# KiCad board baseboard.kicad_pcb (continued)
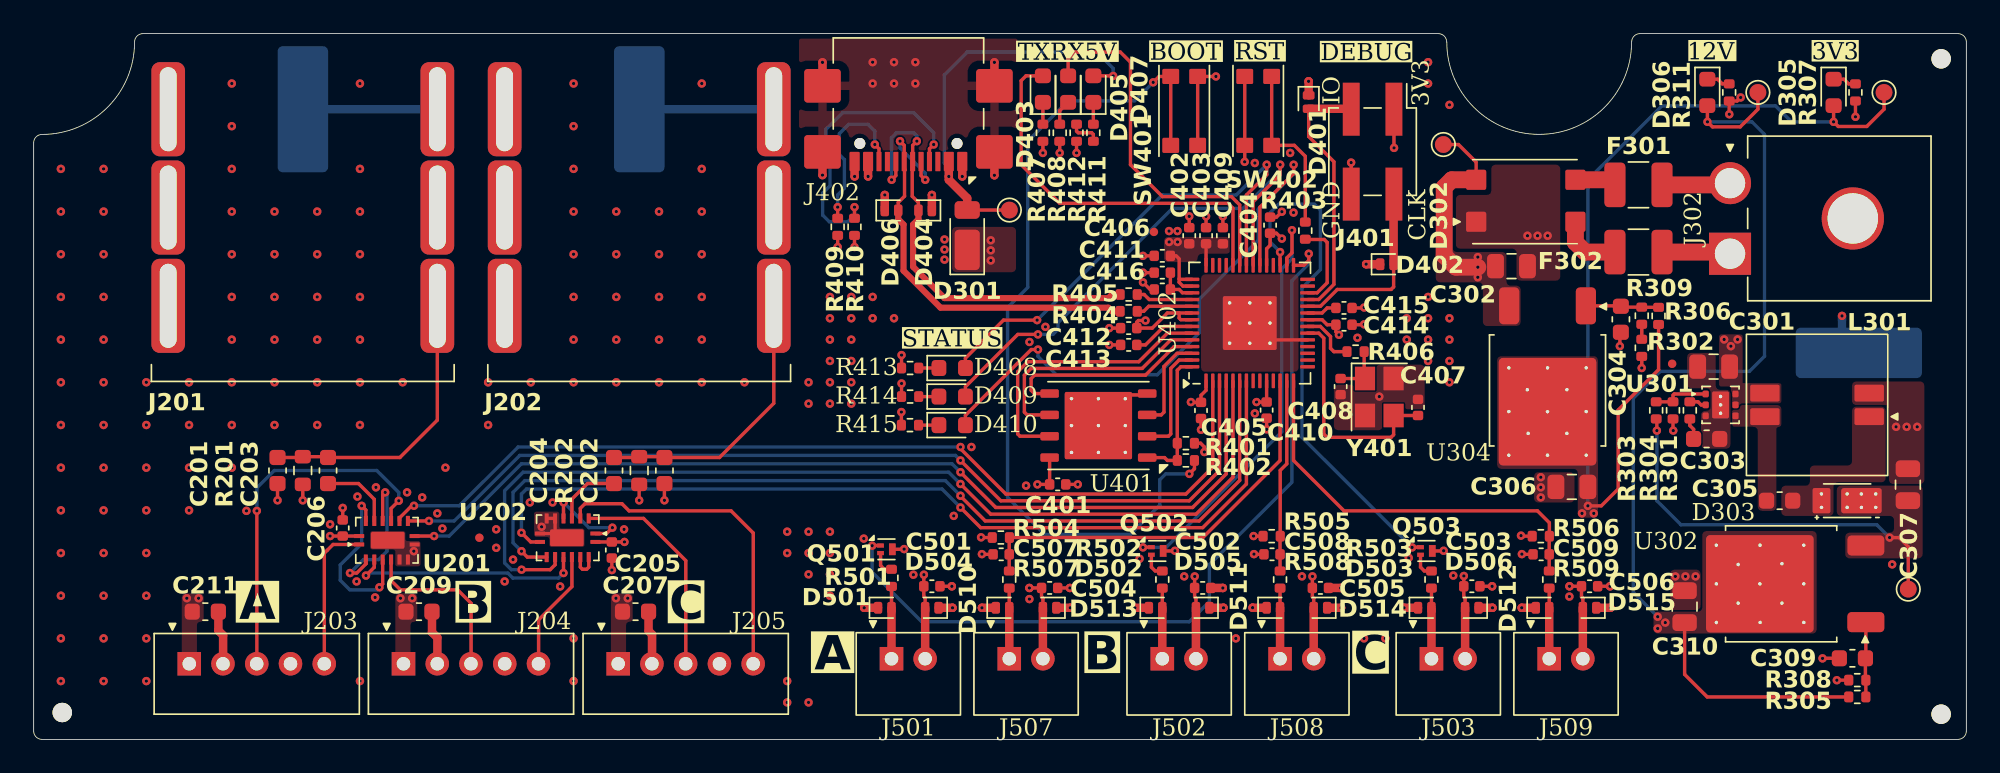
[diagram p0: board, top side]
## Nets
+1V1: C411.1 C413.1 C415.1 C416.1 U402.23 U402.45 U402.50
+3V3: C306.2 C401.1 C402.1 C403.1 C404.1 C405.1 C406.1 C409.1 C410.1 C412.1 C414.1 C501.2 C502.2 C503.2 C504.2 C505.2 C506.2 D305.2 D504.2 D505.2 D506.2 D513.2 D514.2 D515.2 J401.1 J501.2 J502.2 J503.2 J507.2 J508.2 J509.2 R306.2 R401.1 TP302.1 U304.2 U401.8 U402.1 U402.10 U402.22 U402.33 U402.42 U402.43 U402.44 U402.48 U402.49
+12V: C205.1 C206.1 C207.2 C209.2 C211.2 C310.2 D306.2 J203.1 J204.1 J205.1 R305.2 TP303.1 U201.16 U202.16 U302.2
/POWER/12V_FEEDBACK: R303.2 R304.1 U301.1
/POWER/+3V3REG_FBP: C304.2 R306.1 R309.1 U304.1
/POWER/+12VREG_FB: C309.2 R305.1 R308.2 U302.1
/POWER/+15V_RAW: C307.2 D303.1 R303.1 TP304.1 U302.3
GND: C201.2 C202.2 C205.2 C206.2 C207.1 C209.1 C211.1 C301.1 C302.1 C303.2 C304.1 C306.1 C307.1 C309.1 C310.1 C401.2 C402.2 C403.2 C404.2 C405.2 C406.2 C407.1 C408.1 C409.2 C410.2 C411.2 C412.2 C413.2 C414.2 C415.2 C416.2 C501.1 C502.1 C503.1 C504.1 C505.1 C506.1 C507.1 C508.1 C509.1 D302.1 D401.1 D402.1 D404.1 D406.1 D501.1 D502.1 D503.1 D504.1 D505.1 D506.1 D510.1 D511.1 D512.1 D513.1 D514.1 D515.1 G201.1 G202.1 G301.1 J201.R J201.RN J201.S J201.SN J201.TN J202.R J202.RN J202.S J202.SN J202.TN J203.2 J203.4 J204.2 J204.4 J205.2 J205.4 J401.4 J402.A1/B12 J402.B1/A12 J402.S1 J402.S2 J402.S3 J402.S4 L301.2 Q501.3 Q502.3 Q503.3 R201.2 R202.2 R302.2 R304.2 R307.2 R308.1 R311.2 R407.2 R408.2 R409.1 R410.1 R412.2 R413.2 R414.2 R415.2 R504.1 R505.1 R506.1 SW401.1 SW401.4 SW402.1 SW402.4 U201.6 U201.7 U201.8 U201.17 U202.6 U202.7 U202.8 U202.17 U301.3 U301.7 U401.4 U401.9 U402.19 U402.57 Y401.2 Y401.4
/AUDIO/AUDIO_IN: C201.1 C203.1 J201.T R201.1
/AUDIO/AUDIO_IN_FILT: C203.2 U201.14
/AUDIO/AUDIO_OUT: C202.1 C204.1 J202.T R202.1
/AUDIO/AUDIO_OUT_FILT: C204.2 U202.4
/AUDIO/EFFECT_A_BYPASS: U201.2 U201.13
/AUDIO/EFFECT_A_TO_B: U201.4 U201.15
/AUDIO/EFFECT_B_TO_C: U202.14 U202.15
/AUDIO/EFFECT_C_BYPASS: U202.1 U202.5
/MICROCONTROLLER/QSPI_SCLK: U401.6 U402.52
/MICROCONTROLLER/QSPI_SD0: U401.5 U402.53
/MICROCONTROLLER/QSPI_SD1: U401.2 U402.55
/MICROCONTROLLER/QSPI_SD2: U401.3 U402.54
/MICROCONTROLLER/QSPI_SD3: U401.7 U402.51
/MICROCONTROLLER/QSPI_SS: R401.2 R402.2 U401.1 U402.56
/MICROCONTROLLER/SWDCK: D402.2 J401.2 U402.24
/MICROCONTROLLER/SWDIO: D401.2 J401.3 U402.25
/MICROCONTROLLER/USB_CC1: J402.A5 R410.2
/MICROCONTROLLER/USB_CC2: J402.B5 R409.2
/MICROCONTROLLER/USB_D_uC+: R404.2 U402.47
/MICROCONTROLLER/USB_D_uC-: R405.2 U402.46
/MICROCONTROLLER/XTAL_IN: C407.2 U402.20 Y401.3
/MICROCONTROLLER/XTAL_OUT: C408.2 R406.1 Y401.1
/MICROCONTROLLER/XTAL_OUT_uC: R406.2 U402.21
/Peripherals/V_FTSW_RAW_A: D510.2 J507.1 R507.1
/Peripherals/V_FTSW_RAW_B: D511.2 J508.1 R508.1
/Peripherals/V_FTSW_RAW_C: D512.2 J509.1 R509.1
/Peripherals/V_LED_PROT_A: Q501.2 R501.2
/Peripherals/V_LED_PROT_B: Q502.2 R502.2
/Peripherals/V_LED_PROT_C: Q503.2 R503.2
/Peripherals/V_LED_RAW_A: D501.2 J501.1 R501.1
/Peripherals/V_LED_RAW_B: D502.2 J502.1 R502.1
/Peripherals/V_LED_RAW_C: D503.2 J503.1 R503.1
/POWER/DC_IN+: F301.1 J302.2
/POWER/DC_IN-: F302.2 J302.1
/POWER/DC_IN_PROT+: D302.3 F301.2
/POWER/DC_IN_PROT-: D302.2 F302.1
/POWER/DC_IN_RECT: C301.2 C302.2 D301.1 D302.4 L301.4 TP305.1 U301.5 U301.6 U304.3
/POWER/PHASE: C305.1 L301.3 U301.4
/POWER/PHASE_OUTPUT: C305.2 D303.2 L301.1
EFFECT_A_IN: J203.3 U201.12
EFFECT_A_OUT: J203.5 U201.1
EFFECT_B_BYPASS: U201.3 U202.12
EFFECT_B_IN: J204.3 U201.5
EFFECT_B_OUT: J204.5 U202.13
EFFECT_C_IN: J205.3 U202.2
EFFECT_C_OUT: J205.5 U202.3
FTSW_A: C507.2 R504.2 R507.2 U402.12
FTSW_B: C508.2 R505.2 R508.2 U402.13
FTSW_C: C509.2 R506.2 R509.2 U402.14
LED_A: Q501.1 U402.29
LED_B: Q502.1 U402.30
LED_C: Q503.1 U402.31
LED_USB_RX: D405.2 U402.37
LED_USB_TX: D403.2 U402.38
MUX1_A: U201.9 U402.4
MUX1_B: U201.10 U402.3
MUX1_C: U201.11 U402.2
MUX2_A: U202.9 U402.7
MUX2_B: U202.10 U402.6
MUX2_C: U202.11 U402.5
STATUS_G: D408.2 U402.36
STATUS_R: D410.2 U402.34
STATUS_Y: D409.2 U402.35
USB_D+: D406.2 J402.A7 J402.B7 R404.1
USB_D-: D404.2 J402.A6 J402.B6 R405.1
USB_VBUS: D301.2 D407.2 J402.A4/B9 J402.B4/A9 TP401.1
Net-(C303-Pad1): C303.1 R301.2
Net-(D305-K): D305.1 R307.1
Net-(D306-K): D306.1 R311.1
Net-(D403-K): D403.1 R407.1
Net-(D405-K): D405.1 R408.1
Net-(D407-K): D407.1 R411.1
Net-(D408-K): D408.1 R413.1
Net-(D409-K): D409.1 R414.1
Net-(D410-K): D410.1 R415.1
Net-(R302-Pad1): R302.1 R309.2
Net-(R402-Pad1): R402.1 SW401.2 SW401.3
Net-(R403-Pad1): R403.1 SW402.2 SW402.3
Net-(R411-Pad2): R411.2 R412.1
Net-(U301-COMP): R301.1 U301.2
Net-(U402-RUN): R403.2 U402.26

Pads without a net: J402 A8 B8; U402 8 9 11 15 16 17 18 27 28 32 39 40 41

## Via types
v1: diameter 0.5, hole 0.2, Top to Bottom, 378 vias

## Routing (per net, layer and track width the routed paths; a pad name or vN(x,y) marks a point on that pad's centre or on a via; arc(x,y) is an arc through that point)
+1V1: length 7.9
  Top w0.2: C415.1 76.9,25.68 76.6,25.38 75.74,25.38 ; 68.86,24.58 67.2,24.58 66.1,23.47 C413.1 ; 68.86,26.58 68.3,26.58 68.1,26.77 C416.1 C411.1
+3V3: length 258
  Top w0.2: v1(59.68,15.17) C401.1 U401.8 ; U402.22 76.6,24.97 76.9,24.67 C414.1 77.42,24.25 v1(77.6,24.08) ; U402.10 C410.1 v1(72.7,20.08) ; 68.86,27.38 68.12,27.38 68.1,27.4 ; v1(66.1,24.92) 65.68,24.92 65.58,24.83 C412.1 66.5,24.47 67.4,25.38 68.1,25.38 ; 68.1,25.38 68.1,25.08 68.2,24.97 U402.49 ; 68.1,25.38 68.86,25.38 ; v1(69.03,9.7) 69.02,9.69 C502.2 69.02,8.48 69.1,8.4 D505.2 ; J401.1 80.87,35.2 v1(80.88,35.2) ; D513.2 60,8.4 59.92,8.48 C504.2 59.2,9.01 ; 68.1,27.4 68.1,27.2 68.32,26.97 U402.44 ; 68.1,27.4 68.1,28.6 67.93,28.77 C406.1 ; v1(74.21,29.8) 73.89,30.12 C404.1 73.51,29.4 73.3,29.19 U402.33 ; R306.2 96.6,22 94.2,19.6 94.2,14.9 93.2,13.9 v1(92.4,13.9) ; R401.1 69.38,17.62 69.6,17.4 v1(69.6,17.1) ; D305.2 v1(107.01,36.75) 107.28,36.47 108.98,36.47 110.01,37.5 TP302.1 ; 91.31,9.11 C506.2 92.02,8.48 92.1,8.4 D515.2 ; D506.2 85.1,8.4 85.02,8.48 C503.2 85.02,9.72 v1(85.03,9.72) ; v1(52.93,9.8) 52.92,9.8 C501.2 52.92,8.5 53,8.42 D504.2 ; v1(68.8,20.08) 68.82,20.05 C405.1 69.4,20.47 69.7,20.77 U402.1 ; U402.42 C403.1 ; D514.2 76.1,8.4 76.02,8.48 C505.2 76.02,9.69 v1(76.03,9.7)
  Top w0.5: 91.31,9.11 v1(91.31,9.11) ; 92.1,5 D515.2 ; 59.2,9.01 v1(59.2,9.01) ; 60,5 D513.2 ; 53,5 D504.2 ; 69.1,5 D505.2 ; 76.1,5 D514.2 ; 85.1,5 D506.2
  In2.Cu w0.5: v1(92.4,13.9) 92.3,13.8 87.88,13.8 v1(77.6,24.08) 77.6,29.1 77.1,29.6 74.41,29.6 v1(74.21,29.8) 73.61,30.4 73.61,31.91 76.9,35.2 v1(80.88,35.2) ; v1(52.93,9.8) 56.2,9.8 56.99,9.01 v1(59.2,9.01) 59.8,9.61 61.86,9.61 61.87,9.6 65.6,9.6 66.3,10.3 68.7,10.3 69.03,9.97 v1(69.03,9.7) 73.7,9.7 74.4,10.4 75.7,10.4 76.03,10.08 v1(76.03,9.7) 82.6,9.7 83.4,10.5 84.6,10.5 85.03,10.08 v1(85.03,9.72) 90.69,9.72 v1(91.31,9.11) 92.75,10.55 v1(92.75,13.45) ; v1(68.01,29.6) v1(67.51,29.6) 66.8,28.89 66.8,25.62 v1(66.1,24.92) 66.1,23.8 65,22.7 60.7,22.7 59.68,21.67 v1(59.68,15.17) 60.28,14.58 68.88,14.58 69.6,15.3 v1(69.6,17.1) 68.8,17.9 v1(68.8,20.08) v1(72.7,20.08) 75.94,20.08 83.21,12.8 92.05,12.8 v1(92.05,13.45)
  In2.Cu w2: v1(92.05,13.45) v1(92.75,13.45)
  Bottom w0.2: v1(92.4,13.9) 92.4,33.3 96.8,37.7 103.56,37.7 104.51,36.75 v1(107.01,36.75)
+12V: length 174.6
  Top w0.2: v1(35.12,11.75) C205.1 U202.16 ; v1(17.62,12.1) C206.1 U201.16 ; 99.51,37.71 v1(99.51,36.75) 99.81,36.45 101.46,36.45 102.51,37.5 TP303.1 ; R305.2 99.49,2.53 98.15,3.87 C310.2
  In2.Cu w0.2: 39.5,8.5 39.4,8.4 38.7,8.4
  In2.Cu w0.5: v1(96.55,6.6) 96.55,5.25 94.55,3.25 49.05,3.25 43.9,8.4 v1(35.32,8.4) v1(34.62,8.4) v1(21.81,8.4) 21.8,8.4 20.3,6.9 17.71,6.9 16.21,8.4 v1(9.81,8.4) v1(9.11,8.4) 9.11,9.98 11.22,12.1 v1(17.62,12.1) ; 39.5,8.5 39.5,11.31 39.06,11.75 v1(35.12,11.75)
  In2.Cu w2: v1(96.55,6.6) v1(96.55,7.3)
  Bottom w0.2: v1(96.55,7.3) 95.1,8.75 95.1,20.3 96.7,21.9 102,21.9 102.9,22.8 102.9,36 102.15,36.75 v1(99.51,36.75)
  vias: v1(22.51,8.4) v1(97,6.95)
/POWER/12V_FEEDBACK: length 3.4
  Top w0.2: U301.1 97.53,20.56 97.46,20.48 R304.1 R303.2
/POWER/+3V3REG_FBP: length 4.2
  Top w0.2: R309.1 94.36,25.72 ; U304.1 94.28,25.8 ; R306.1 95.61,25.71
/POWER/+12VREG_FB: length 4.3
  Top w0.2: R308.2 R305.1 ; 108.93,6.87 108.93,4.85 ; C309.2 108.9,3.55
/POWER/+15V_RAW: length 23.4
  Top w0.2: v1(110.34,12.01) 110.9,12.01 111.45,11.46 TP304.1 ; v1(96.5,18.38) 96.5,19.03
  Bottom w0.2: v1(96.5,18.38) 96.5,14.2 97.93,12.77 109.57,12.77 v1(110.34,12.01)
GND: length 105.3
  Top w0.2: v1(72.53,12.1) 72.53,12.09 R505.1 ; R412.2 v1(62,34.9) ; U402.19 73.3,23.77 ; C402.2 v1(68.7,31.12) ; v1(83.82,11.22) 83.81,11.21 Q503.3 ; 65.1,20.5 66.12,20.5 ; SW401.4 SW401.1 v1(70.29,39.45) ; C410.2 v1(73.3,18.45) ; v1(74.21,31.4) 73.89,31.08 C404.2 ; v1(72,34.37) 72,34.37 SW402.1 SW402.4 ; R408.2 v1(61,34.9) ; v1(72.55,11.02) 72.56,11.01 C508.1 ; v1(79.1,24.7) 79.07,24.67 C414.2 ; v1(56.38,11.02) 56.39,11.01 C507.1 ; v1(97.47,18.38) 97.46,18.39 R304.2 ; v1(65.95,27.2) 66.37,26.78 C416.2 ; v1(79.1,25.7) 79.07,25.67 C415.2 ; v1(94.3,23.4) 94.3,23.4 94.3,24.23 ; v1(95.6,22.1) 95.6,22.1 R302.2 ; R201.2 v1(16,14.22) ; v1(101.48,38.2) 101.27,37.99 R311.2 100.8,37.21 v1(100.81,37.2) ; C406.2 v1(65.95,28.77) ; C501.1 54.58,9.11 ; J401.4 78.33,34.32 v1(78.32,34.33) ; C411.2 v1(65.95,27.77) ; C504.1 61.6,9.01 ; v1(67.85,11.22) 67.84,11.21 Q502.3 ; C206.2 v1(18.38,13.77) ; 31,12 U202.6 U202.7 ; R415.2 v1(51.59,19.48) ; C205.2 v1(34.38,10.08) ; C201.2 v1(14.5,14.22) ; R307.2 v1(108.31,37.05) ; C509.1 88.49,11.01 v1(88.47,11.02) ; v1(88.43,12.12) 88.46,12.09 R506.1 ; R504.1 56.34,12.01 v1(56.32,12.02) ; C506.1 93.71,9.11 ; C413.2 v1(63.95,23.48) ; R409.1 v1(47.8,29.3) ; R202.2 v1(36,14.22) ; Q501.3 51.74,11.31 v1(51.75,11.33) ; C309.1 106.36,4.83 v1(106.35,4.82) ; C503.1 86.7,9.11 ; R410.1 v1(48.8,29.3) ; C405.2 v1(69.4,18.42) ; v1(107.2,3.52) 107.21,3.53 R308.1 ; U202.8 32.25,12.25 ; C403.2 v1(69.7,31.12) ; C412.2 v1(63.95,24.47) ; R407.2 v1(60,34.9) ; R413.2 v1(51.6,22.87) ; C409.2 v1(70.7,31.12) ; C401.2 v1(62.07,15.17) ; R414.2 v1(51.6,21.18) ; C202.2 v1(37.5,14.22)
  Top w0.5: D515.1 93.73,7.83 v1(93.74,7.83) ; D503.1 81.47,7.83 v1(81.47,7.83) ; v1(77.71,9.01) 77.7,9.01 C505.1 ; J402.S2 v1(46.9,33.58) ; v1(70.74,7.83) 70.73,7.83 D505.1 ; v1(70.7,9.01) 70.69,9.01 C502.1 ; v1(61.63,7.83) 61.62,7.83 D513.1 ; v1(65.47,7.83) 65.47,7.83 D502.1 ; C211.1 10.98,6.47 11.26,6.19 11.26,4.8 ; D402.1 79.22,28.28 v1(79.22,28.28) ; v1(75.8,39.16) 75.8,39.16 D401.1 ; D511.1 72.47,7.83 v1(72.47,7.84) ; D510.1 56.38,7.83 v1(56.38,7.83) ; v1(54.63,7.83) 54.62,7.83 D504.1 ; D404.1 v1(53.4,32.4) ; J402.S4 v1(46.9,40.29) ; J402.S1 v1(57.12,33.57) ; D512.1 88.47,7.83 v1(88.47,7.83) ; 24,4.8 24,6.06 23.68,6.38 C209.1 ; 54.58,9.11 v1(54.59,9.11) ; J402.A1/B12 v1(55.21,33.5) ; D406.1 v1(50.6,32.4) ; 36.76,4.8 36.76,6.24 36.56,6.45 C207.1 ; D501.1 49.38,7.83 v1(49.38,7.83) ; D514.1 77.72,7.83 v1(77.73,7.83) ; v1(86.73,7.83) 86.72,7.83 D506.1 ; J402.S3 v1(57.12,40.29) ; 86.7,9.11 v1(86.71,9.11) ; J402.B1/A12 v1(48.81,33.5) ; 93.71,9.11 v1(93.72,9.11) ; 61.6,9.01 v1(61.61,9.01)
  Bottom w0.5: G301.1 107.51,24 v1(107.51,25.2) ; G201.1 J201.S ; G202.1 J202.S
  vias: v1(1.62,33.95) v1(1.62,31.41) v1(1.62,28.87) v1(1.62,26.33) v1(1.62,23.79) v1(1.62,21.25) v1(1.62,18.71) v1(1.62,16.17) v1(1.62,13.63) v1(1.62,11.09) v1(1.62,8.55) v1(1.62,6.01) v1(1.62,3.47) v1(4.16,33.95) v1(4.16,31.41) v1(4.16,28.87) v1(4.16,26.33) v1(4.16,23.79) v1(4.16,21.25) v1(4.16,18.71) v1(4.16,16.17) v1(4.16,13.63) v1(4.16,11.09) v1(4.16,8.55) v1(4.16,6.01) v1(4.16,3.47) v1(6.7,21.25) v1(6.7,18.71) v1(6.7,16.17) v1(6.7,13.63) v1(6.7,11.09) v1(6.7,8.55) v1(6.7,6.01) v1(6.7,3.47) v1(9.24,21.25) v1(9.24,18.71) v1(9.24,16.17) v1(9.24,13.63) v1(11.78,39.03) v1(11.78,36.49) v1(11.78,33.95) v1(11.78,31.41) v1(11.78,28.87) v1(11.78,26.33) v1(11.78,23.79) v1(11.78,21.25) v1(11.78,18.71) v1(11.78,16.17) v1(12.65,13.6) v1(14.32,31.41) v1(14.32,28.87) v1(14.32,26.33) v1(14.32,23.79) v1(14.32,21.25) v1(14.32,18.71) v1(16.86,31.41) v1(16.86,28.87) v1(16.86,26.33) v1(16.86,23.79) v1(16.86,21.25) v1(16.86,18.71) v1(17.62,12.8) v1(19.25,14.45) v1(19.2,9.4) v1(19.4,39.03) v1(19.4,33.95) v1(19.4,31.41) v1(19.4,28.87) v1(19.4,26.33) v1(19.4,23.79) v1(19.4,21.25) v1(19.4,18.71) v1(19.4,3.47) v1(20.35,15) v1(20.3,8.45) v1(21.94,21.25) v1(22.2,14.7) v1(22.6,11.2) v1(23.1,14.4) v1(24,13.45) v1(24.3,12.55) v1(24.48,16.17) v1(27.02,21.25) v1(27.02,18.71) v1(27.5,12.5) v1(27.5,11.4) v1(28,9.4) v1(28.5,10.7) v1(29.5,14.1) v1(29.56,21.25) v1(30.2,12.65) v1(30.85,14.1) v1(31.3,9.1) v1(32.1,39.03) v1(32.1,36.49) v1(32.1,33.95) v1(32.1,31.41) v1(32.1,28.87) v1(32.1,26.33) v1(32.1,23.79) v1(32.1,21.25) v1(32.1,6.01) v1(32.1,3.47) v1(34.64,31.41) v1(34.64,28.87) v1(34.64,26.33) v1(34.64,23.79) v1(34.64,21.25) v1(35.1,12.5) v1(37.18,31.41) v1(37.18,28.87) v1(37.18,26.33) v1(37.18,23.79) v1(37.18,21.25) v1(39.72,39.03) v1(39.72,33.95) v1(39.72,31.41) v1(39.72,28.87) v1(39.72,26.33) v1(39.72,23.79) v1(39.72,21.25) v1(42.26,21.25) v1(44.8,12.36) v1(44.8,11.09) v1(44.8,3.47) v1(44.8,2.2) v1(46.07,21.25) v1(46.07,19.98) v1(46.07,12.36) v1(46.07,11.09) v1(46.07,9.82) v1(46.07,2.2) v1(47.34,26.33) v1(47.34,25.06) v1(47.34,23.79) v1(47.34,22.52) v1(47.34,21.25) v1(47.34,19.98) v1(47.34,12.36) v1(47.34,11.09) v1(47.34,9.82) v1(47.34,8.55) v1(48.61,26.33) v1(48.61,25.06) v1(48.61,23.79) v1(48.61,22.52) v1(48.61,21.25) v1(48.61,19.98) v1(49.35,11.95) v1(49.88,40.3) v1(49.88,39.03) v1(49.88,26.33) v1(49.88,25.06) v1(51.15,40.3) v1(51.15,39.03) v1(51.15,25.06) v1(52.3,9.8) v1(52.42,40.3) v1(52.42,39.03) v1(54.15,29.75) v1(54.15,29.15) v1(54.15,28.55) v1(54.7,13.3) v1(55.75,17.4) v1(59,15.1) v1(59.2,23.65) v1(59.2,8.35) v1(60.15,24.55) v1(65.75,10.75) v1(67.5,30.25) v1(68,30.25) v1(68.4,9.7) v1(71.47,6.01) v1(72.6,34.3) v1(72.6,19.4) v1(74.7,34.9) v1(74.9,31.35) v1(75.4,9.7) v1(78.7,23.9) v1(79.09,6.01) v1(80,20.4) v1(80.36,6.01) v1(81.63,25.06) v1(81.63,23.79) v1(81.75,10.8) v1(82.9,40.3) v1(82.9,39.03) v1(82.9,26.33) v1(82.9,25.06) v1(82.9,23.79) v1(82.9,22.52) v1(84.17,37.76) v1(84.17,25.06) v1(84.17,23.79) v1(84.17,22.52) v1(84.17,21.25) v1(84.4,9.75) v1(88.81,29.97) v1(89.41,29.97) v1(89.6,15.6) v1(89.6,15) v1(89.6,14.4) v1(90.01,29.97) v1(91.3,8.5) v1(97.6,9.7) v1(98.2,9.7) v1(98.8,9.7) v1(110.49,10.41) v1(110.72,18.6) v1(111.35,18.6) v1(111.98,18.6)
/AUDIO/AUDIO_IN: length 17.1
  Top w0.2: C203.1 21.77,16.77 24,19 J201.T ; R201.1 17.45,16.83 ; C201.1 15.95,16.77
/AUDIO/AUDIO_IN_FILT: length 4.4
  Top w0.2: C203.2 19.31,15.22 20.25,14.29 U201.14
/AUDIO/AUDIO_OUT: length 16.5
  Top w0.2: R202.1 37.45,16.83 ; J202.T 44,20 40.78,16.77 C202.1 ; C204.1 35.95,16.77
/AUDIO/AUDIO_OUT_FILT: length 4
  Top w0.2: U202.4 32,14.3 32.92,15.22 C204.2
/AUDIO/EFFECT_A_BYPASS: length 9.5
  Top w0.2: v1(18.81,9.9) 19.21,9.9 19.75,10.44 U201.2 ; U201.13 20.75,14.55 v1(20.9,14.7)
  Bottom w0.2: v1(18.81,9.9) 19.61,10.7 20.51,10.7 21.01,11.2 21.01,14.59 v1(20.9,14.7)
/AUDIO/EFFECT_A_TO_B: length 10.3
  Top w0.2: U201.4 20.75,9.24 v1(20.56,9.05) ; v1(19.5,13.9) 19.75,13.65 U201.15
  Bottom w0.2: v1(20.56,9.05) 20.41,8.9 18.8,8.9 18.22,9.47 18.22,10.38 19.5,11.65 v1(19.5,13.9)
/AUDIO/EFFECT_B_TO_C: length 1.8
  Top w0.2: U202.15 33,10.25 32.88,10.12 32.62,10.12 32.5,10.25 U202.14
/AUDIO/EFFECT_C_BYPASS: length 5.6
  Top w0.2: U202.5 31.5,14.09 v1(31.51,14.1) ; v1(34.41,12.6) 34.06,12.25 U202.1
  Bottom w0.2: v1(31.51,14.1) 33.01,12.6 v1(34.41,12.6)
/MICROCONTROLLER/QSPI_SCLK: length 14.6
  Top w0.2: U401.6 59.06,19.31 58.9,19.47 58.9,21.67 59.3,22.08 65.9,22.08 67.6,23.78 U402.52
/MICROCONTROLLER/QSPI_SD0: length 12.2
  Top w0.2: U401.5 59.5,20.58 59.3,20.77 59.3,21.48 59.5,21.67 66.1,21.67 67.8,23.38 68.86,23.38
/MICROCONTROLLER/QSPI_SD1: length 6.8
  Top w0.2: U401.2 67.47,18.04 67.6,18.18 67.6,22.08 68.1,22.58 68.86,22.58
/MICROCONTROLLER/QSPI_SD2: length 5.8
  Top w0.2: U402.54 67.98,22.97 67.2,22.2 67.2,19.47 67.03,19.31 U401.3
/MICROCONTROLLER/QSPI_SD3: length 17
  Top w0.2: U402.51 67.4,24.17 65.7,22.47 59.1,22.47 58.5,21.88 58.5,18.18 58.63,18.04 U401.7
/MICROCONTROLLER/QSPI_SS: length 8.2
  Top w0.2: U402.56 68.2,22.17 67.99,21.97 R401.2 R402.2 67.4,16.6 67.23,16.77 U401.1
/MICROCONTROLLER/SWDCK: length 11.1
  Top w0.2: D402.2 80.85,26.93 80.7,26.77 77.5,26.77 76.5,25.77 U402.24
  Top w0.5: D402.2 80.85,32.43
/MICROCONTROLLER/SWDIO: length 15.5
  Top w0.2: D401.2 75.8,35.88 77.3,34.38 77.3,27.08 76.4,26.17 U402.25
  Top w0.5: D401.2 78.31,37.52
/MICROCONTROLLER/USB_CC1: length 17.9
  Top w0.2: v1(53.51,35.4) 53.26,35.15 J402.A5 ; v1(48.8,31.67) R410.2
  Bottom w0.2: v1(48.8,31.67) 48.8,31.19 48.41,30.8 47.31,30.8 46.91,31.2 46.91,32.51 47.35,32.95 47.35,34.25 47.1,34.5 47.1,36.3 48.1,37.3 52.31,37.3 53.51,36.1 v1(53.51,35.4)
/MICROCONTROLLER/USB_CC2: length 9.7
  Top w0.2: J402.B5 50.26,35.15 v1(50.01,35.4) ; v1(47.8,31.67) R409.2
  Bottom w0.2: v1(47.8,31.67) 47.8,32.4 48.2,32.8 48.2,34.51 47.9,34.81 47.9,36.05 48.45,36.6 49.6,36.6 50.01,36.19 v1(50.01,35.4)
/MICROCONTROLLER/USB_D_uC+: length 3.4
  Top w0.2: U402.47 66.3,25.77 66,25.47 R404.2
/MICROCONTROLLER/USB_D_uC-: length 3.4
  Top w0.2: U402.46 66.32,26.17 66.02,26.47 R405.2
/MICROCONTROLLER/XTAL_IN: length 13.7
  Top w0.2: C407.2 Y401.3 80.85,18.12 80.7,17.97 76.9,17.97 76.7,18.17 76.7,23.88 76.4,24.17 75.74,24.17
/MICROCONTROLLER/XTAL_OUT: length 3
  Top w0.2: C408.2 Y401.1 ; R406.1 79.1,21.53
/MICROCONTROLLER/XTAL_OUT_uC: length 3.4
  Top w0.2: 75.74,24.58 76.5,24.58 77.1,23.97 77.1,23.27 77.3,23.08 R406.2
/Peripherals/V_FTSW_RAW_A: length 4
  Top w0.2: D510.2 R507.1
  Top w0.5: D510.2 58,5
/Peripherals/V_FTSW_RAW_B: length 4
  Top w0.2: D511.2 R508.1
  Top w0.5: D511.2 74.1,5
/Peripherals/V_FTSW_RAW_C: length 4
  Top w0.2: D512.2 R509.1
  Top w0.5: D512.2 90.1,5
/Peripherals/V_LED_PROT_A: length 1.5
  Top w0.2: Q501.2 50.35,10.35 50.58,10.12 R501.2
/Peripherals/V_LED_PROT_B: length 1.5
  Top w0.2: R502.2 66.68,10.02 66.45,10.25 Q502.2
/Peripherals/V_LED_PROT_C: length 1.5
  Top w0.2: Q503.2 82.45,10.25 82.68,10.02 R503.2
/Peripherals/V_LED_RAW_A: length 4.1
  Top w0.2: D501.2 R501.1
  Top w0.5: 51,5 D501.2
/Peripherals/V_LED_RAW_B: length 4
  Top w0.2: D502.2 R502.1
  Top w0.5: D502.2 67.1,5
/Peripherals/V_LED_RAW_C: length 4
  Top w0.2: D503.2 R503.1
  Top w0.5: D503.2 83.1,5
/POWER/DC_IN+: length 4
  Top w1: F301.1 100.76,33
/POWER/DC_IN-: length 4
  Top w1: F302.2 100.76,29
/POWER/DC_IN_PROT+: length 2.5
  Top w1: F301.2 93.71,33.3 D302.3
/POWER/DC_IN_PROT-: length 3.8
  Top w1: F302.1 92.23,29 91.66,29.58 D302.2
/POWER/DC_IN_RECT: length 71.6
  Top w0.2: D302.4 85.76,34.35 84.71,35.4 TP305.1
  Top w1: v1(85.86,28.1) 84.56,28.1 83.86,28.8 83.86,32.85 84.31,33.3 D302.4
  In2.Cu w0.5: v1(85.86,28.7) 85.86,32.94 81.6,37.2 69.95,37.2 61.85,29.1 v1(56.9,29.1) ; v1(100.9,23.4) 100.9,25.1 97.9,28.1 86.46,28.1 v1(85.86,27.5)
  In2.Cu w2: v1(85.86,28.7) v1(85.86,27.5) ; v1(100.5,23.8) v1(101.3,23.8) ; v1(56.9,29.7) v1(56.9,28.5)
EFFECT_A_IN: length 21.5
  Top w0.2: v1(13.27,13.6) 13.27,4.8 ; U201.12 21.25,13.74 v1(21.71,14.2)
  Bottom w0.2: v1(13.27,13.6) 13.27,14.96 14.31,16 20.4,16 21.71,14.69 v1(21.71,14.2)
EFFECT_A_OUT: length 8.6
  Top w0.2: 17.28,4.8 17.28,11.08 17.8,11.6 U201.1
EFFECT_B_BYPASS: length 14.2
  Top w0.2: v1(31.5,9.9) U202.12 ; U201.3 20.25,10.24 v1(19.76,9.75)
  Bottom w0.2: v1(31.5,9.9) 31.2,9.6 28.49,9.6 28.19,9.9 19.91,9.9 v1(19.76,9.75)
EFFECT_B_IN: length 9.9
  Top w0.2: 26.01,4.8 26.01,8.1 25.21,8.9 21.8,8.9 21.25,9.45 U201.5
EFFECT_B_OUT: length 6.9
  Top w0.2: 30.02,4.8 30.02,7.11 32,9.09 U202.13
EFFECT_C_IN: length 12.6
  Top w0.2: U202.2 36.26,13.15 38.77,10.64 38.77,4.8
EFFECT_C_OUT: length 19.2
  Top w0.2: 42.78,4.8 42.78,12.28 41.46,13.6 35.4,13.6 34.97,14.02 32.77,14.02 32.5,13.75 U202.3
FTSW_A: length 24.7
  Top w0.2: R504.2 69.51,12.01 74.1,16.6 U402.12 ; 58,12 C507.2 R507.2
FTSW_B: length 11.5
  Top w0.2: U402.13 74.5,16.4 74.11,16.01 R505.2 ; 74.1,12.08 C508.2 R508.2
FTSW_C: length 24.3
  Top w0.2: U402.14 74.9,16.6 77.9,13.6 89.4,13.6 90.11,12.89 R506.2 ; 90.1,12.08 C509.2 R509.2
LED_A: length 48.4
  Top w0.2: v1(75.81,28.9) 75.81,28.5 75.52,28.21 U402.29 ; Q501.1 49.86,11.54 v1(49.85,11.52)
  Bottom w0.2: v1(75.81,28.9) 75.81,28.3 74.8,27.29 74.8,15.3 69.9,10.4 69.9,8.2 68.7,7 52.8,7 49.85,9.95 v1(49.85,11.52)
LED_B: length 26.1
  Top w0.2: Q502.1 65.96,11.44 v1(65.95,11.42) ; 74.51,28.22 U402.30 74.5,28.65 74.81,28.96 v1(74.81,30.3)
  Bottom w0.2: v1(65.95,11.42) 67.32,11.42 74.2,18.3 74.2,28 74.8,28.6 74.8,30.29 v1(74.81,30.3)
LED_C: length 30.5
  Top w0.2: v1(74.1,29) U402.31 ; v1(81.95,11.42) 81.96,11.44 Q503.1
  Bottom w0.2: v1(74.1,29) 74.1,29.01 73.5,29.61 73.5,31.33 74.02,31.85 76.15,31.85 76.5,31.5 76.5,27.96 75.4,26.86 75.4,17.97 v1(81.95,11.42)
LED_USB_RX: length 22.3
  Top w0.2: D405.2 61.5,40.49 61.91,40.9 64.61,40.9 65.21,40.3 65.21,34.2 67.11,32.3 71.21,32.3 71.7,31.81 U402.37
LED_USB_TX: length 23.5
  Top w0.2: U402.38 71.3,31.61 71.01,31.9 61.01,31.9 58.71,34.2 58.71,39.2 58.99,39.49 D403.2
MUX1_A: length 57.5
  Top w0.2: U402.4 70.9,15.8 68.9,13.8 57.2,13.8 v1(55.1,15.9) ; U201.9 v1(23.81,12.1)
  Bottom w0.2: v1(23.81,12.1) 24.7,12.1 29,16.4 54.6,16.4 v1(55.1,15.9)
MUX1_B: length 57.1
  Top w0.2: v1(55.1,16.6) 57.5,14.2 68.7,14.2 70.5,16 U402.3 ; U201.10 v1(23.5,13)
  Bottom w0.2: v1(23.5,13) 25,13 28.9,16.9 54.8,16.9 v1(55.1,16.6)
MUX1_C: length 57.3
  Top w0.2: v1(22.61,13.9) 22.48,13.9 21.75,13.18 U201.11 ; U402.2 70.1,16.2 68.5,14.6 57.8,14.6 55.1,17.3 v1(55.1,17.4)
  Bottom w0.2: v1(55.1,17.4) 28.8,17.4 25.3,13.9 v1(22.61,13.9)
MUX2_A: length 55
  Top w0.2: U402.7 72.1,15.2 69.5,12.6 56.3,12.6 v1(55.1,13.8) ; U202.9 29.55,11.75 v1(29,12.3)
  Bottom w0.2: v1(55.1,13.8) 54,14.9 29.3,14.9 29,14.6 v1(29,12.3)
MUX2_B: length 56.8
  Top w0.2: U202.10 29.35,10.85 v1(29,11.2) ; U402.6 71.7,15.41 69.29,13 56.57,13 55.1,14.47 v1(55.1,14.5)
  Bottom w0.2: v1(29,11.2) 28.5,11.7 28.5,14.7 29.2,15.4 54.2,15.4 v1(55.1,14.5)
MUX2_C: length 59.5
  Top w0.2: U202.11 31,10.39 30.71,10.1 v1(29.01,10.1) ; U402.5 71.3,15.6 69.1,13.4 56.9,13.4 v1(55.1,15.2)
  Bottom w0.2: v1(55.1,15.2) 54.4,15.9 29.1,15.9 28,14.8 28,10.5 28.4,10.1 v1(29.01,10.1)
STATUS_G: length 29.8
  Top w0.2: U402.36 72.1,32.39 73.31,33.6 v1(73.31,34.2) ; v1(59.66,24.95) 57.66,24.95 55.39,22.69 D408.2
  Bottom w0.2: v1(59.66,24.95) 67.11,32.4 71.5,32.4 73.3,34.2 v1(73.31,34.2)
STATUS_R: length 37.2
  Top w0.2: v1(59.71,23.2) 59.31,23.2 55.39,19.29 D410.2 ; U402.34 72.9,31.67 74.91,33.67 v1(74.91,34.2)
  Bottom w0.2: v1(59.71,23.2) 59.71,22.79 60.8,21.7 66.8,21.7 69.3,24.2 69.3,26.2 72.81,29.71 72.81,31.55 74.91,33.65 v1(74.91,34.2)
STATUS_Y: length 31.9
  Top w0.2: v1(59.71,24.1) 58.51,24.1 55.39,20.99 D409.2 ; v1(74.11,34.2) 74.11,33.6 72.5,31.99 U402.35
  Bottom w0.2: v1(74.11,34.2) 74.11,33.81 71.9,31.6 67.7,31.6 60.9,24.8 60.9,24.4 60.6,24.1 v1(59.71,24.1)
USB_D+: length 26.1
  Top w0.2: D406.2 51.4,31.95 51.78,32.33 51.78,33.86 51.78,33.87 51.78,33.94 51.76,33.96 J402.A7 51.76,35.35 v1(51.51,35.6) ; J402.B7 52.76,33.55 v1(53.01,33.3)
  Top w0.36: R404.1 64.11,25.47 63.89,25.69 53.91,25.69 51.72,27.89 51.72,30.64 51.4,30.95 D406.2
  Bottom w0.2: v1(53.01,33.3) 53.01,33.69 51.51,35.19 v1(51.51,35.6)
USB_D-: length 26.7
  Top w0.2: J402.B6 51.26,33.55 v1(51.01,33.3) ; D404.2 52.6,31.95 52.23,32.32 52.23,33.94 52.26,33.96 J402.A6 52.26,35.35 v1(52.51,35.6)
  Top w0.36: D404.2 52.6,30.95 52.28,30.64 52.28,28.12 54.15,26.26 63.89,26.26 64.11,26.47 R405.1
  Bottom w0.2: v1(52.51,35.6) 52.51,35.9 52.31,36.1 51.3,36.1 51,35.8 51,33.31 v1(51.01,33.3)
USB_VBUS: length 33.6
  Top w0.2: TP401.1 55.5,31.5 ; v1(64.18,39.48) 64.17,39.49 D407.2
  Top w0.5: J402.A4/B9 v1(54.41,33.5) 54.41,33.3 55.5,32.21 55.5,31.5 ; J402.B4/A9 v1(49.61,33.5)
  In2.Cu w0.5: v1(49.61,33.5) 49.61,32.1 50.21,31.5 53.81,31.5 54.41,32.1 v1(54.41,33.5)
  Bottom w0.2: v1(54.41,33.5) 54.41,34.04 54.14,34.31 54.14,39.54 55.5,40.9 63.21,40.9 64.18,39.93 v1(64.18,39.48)
Net-(C303-Pad1): length 1.3
  Top w0.2: R301.2 98.46,18.68 98.68,18.45 C303.1
Net-(D305-K): length 1.4
  Top w0.2: D305.1 107.62,39.29 107.9,39.01 R307.1
Net-(D306-K): length 1.4
  Top w0.2: D306.1 100.11,39.29 100.39,39.01 R311.1
Net-(D403-K): length 1.3
  Top w0.2: D403.1 R407.1
Net-(D405-K): length 1.5
  Top w0.2: R408.1 61,37.41 D405.1
Net-(D407-K): length 1.3
  Top w0.2: D407.1 R411.1
Net-(D408-K): length 1.2
  Top w0.2: R413.1 D408.1
Net-(D409-K): length 1.2
  Top w0.2: R414.1 D409.1
Net-(D410-K): length 1.2
  Top w0.2: R415.1 D410.1
Net-(R302-Pad1): length 0.9
  Top w0.2: R309.2 R302.1
Net-(R402-Pad1): length 50.9
  Top w0.2: R402.1 69.01,16.1 v1(68.71,15.8) ; SW401.3 SW401.2 66.91,39.45 v1(66.56,39.1)
  Bottom w0.2: v1(66.56,39.1) 65.46,38 61.5,38 59.1,35.6 59.1,26.9 57.9,25.7 57.9,14.4 60.1,12.2 65.2,12.2 66.95,13.95 66.95,15.45 67.3,15.8 v1(68.71,15.8)
Net-(R403-Pad1): length 10.3
  Top w0.2: SW402.3 SW402.2 74.95,35.35 75.6,34.7 R403.1
Net-(R411-Pad2): length 1.9
  Top w0.2: R412.1 62,36.2 62.1,36.1 62.9,36.1 63,36 R411.2
Net-(U301-COMP): length 1
  Top w0.2: 99.4,19.9 99.13,19.9 98.95,20.09 R301.1
Net-(U402-RUN): length 5.2
  Top w0.2: 75.6,29.75 76.72,29.75 76.9,29.58 76.9,27.18 76.3,26.58 75.74,26.58

## Copper pours and planes (outline as drawn; the poured copper is in the pictures)
+3V3 on Top: 67.2,28.4 69.2,28.4 69.2,28.9 71.15,28.9 71.15,29.9 67.2,29.9
+3V3 on Top: 87,16.1 91.8,16.1 91.8,13.2 93,13.2 93,22.8 87,22.8
+3V3 on Bottom, In1.Cu, In2.Cu: 86.9,16.1 93,16.1 93,22.9 86.9,22.9
+12V on Top: 8.81,8.7 10.11,8.7 10.11,7 9.71,7 9.71,4.3 8.81,4.3
+12V on Top: 99.2,12.4 99.2,7.6 96.3,7.6 96.3,6.3 106,6.3 106,12.4
+12V on Top: 21.51,8.7 22.81,8.7 22.81,7 22.41,7 22.41,4.3 21.51,4.3
+12V on Top: 34.32,8.7 35.62,8.7 35.62,7 35.22,7 35.22,4.3 34.32,4.3
+12V on Bottom, In1.Cu, In2.Cu: 99.2,12.4 99.2,6.3 106,6.3 106,12.4
/POWER/+15V_RAW on Top: 107.2,15.1 107.2,13.3 110.6,13.3 110.6,12.3 107.7,12.3 107.7,10.77 112.3,10.77 112.3,15.1
GND on Top: 32.75,11.45 32.75,12.55 31.25,12.55 31.25,13.55 29.75,13.55 29.75,12.05 30.65,12.05 30.65,11.45
GND on Top: 77.3,18.4 80.2,18.4 80.2,19.65 82.7,19.65 82.7,22.3 79.8,22.3 79.8,21.1 77.3,21.1
GND on Top: 20,12.4 20,11.3 21.5,11.3 21.5,10.3 23,10.3 23,11.8 22.1,11.8 22.1,12.4
GND on Top: 69.4,21.88 75.2,21.88 75.2,27.67 69.4,27.67
GND on Top: 91.6,14.1 91.6,15.9 89.2,15.9 89.2,14.1
GND on Top: 45.5,42 45.5,33.6 58.5,33.6 58.5,42
GND on Top: 86.66,34.2 86.66,32.4 84.56,32.4 84.56,29.2 88.16,29.2 88.16,27.3 90.76,27.3 90.76,34.2
GND on Top: 100,20.8 100,23 98.3,23 98.3,20.9 99.7,20.9 99.7,19.55 99.12,19.55 99.12,17.3 100.88,17.3 100.88,20.8
GND on Top: 97.3,7.7 99.1,7.7 99.1,10.1 97.3,10.1
GND on Top: 108.1,21.3 108.1,19.9 110.3,19.9 110.3,15.2 112.4,15.2 112.4,21.3
GND on Bottom, In1.Cu, In2.Cu: 0,0 45.1,0 45.1,42 0,42
GND on Bottom, In1.Cu, In2.Cu: 0,0 114.9,0 114.9,42 0,42
GND on In1.Cu: 42.9,0 86.15,0 86.15,42 42.9,42
/POWER/DC_IN_RECT on Top: 54.6,30.5 54.6,27.8 58.4,27.8 58.4,30.5
/POWER/DC_IN_RECT on Top: 84.36,29 84.36,29.7 83.36,29.7 83.36,27.2 86.16,27.2 86.16,24.6 88.41,24.6 88.41,27 87.56,27 87.56,29
/POWER/DC_IN_RECT on Top: 100.2,24.1 100.2,21 100.9,21 100.9,19.6 101.4,19.6 101.8,20 103.9,20 103.9,21.2 101.6,21.2 101.6,24.1
/POWER/PHASE on Top: 100.9,19.9 100.9,18.6 102.5,18.6 102.5,13.6 103.6,13.6 103.6,18.6 103.9,18.6 103.9,19.9
/POWER/PHASE_OUTPUT on Top: 108.1,19.8 108.1,16.3 105.6,16.3 105.6,15.1 103.9,15.1 103.9,13.3 107,13.3 107,15.3 110.1,15.3 110.1,19.8

## Text on the board
User.Comments: 1: MANUFACTURE TO IPC CLASS 2
F.Silkscreen: STATUS | TXRX5V | BOOT | RST | DEBUG | 12V | 3V3 | IO | GND | CLK | A | B | C
